# KiCad board Logic_0.kicad_pcb
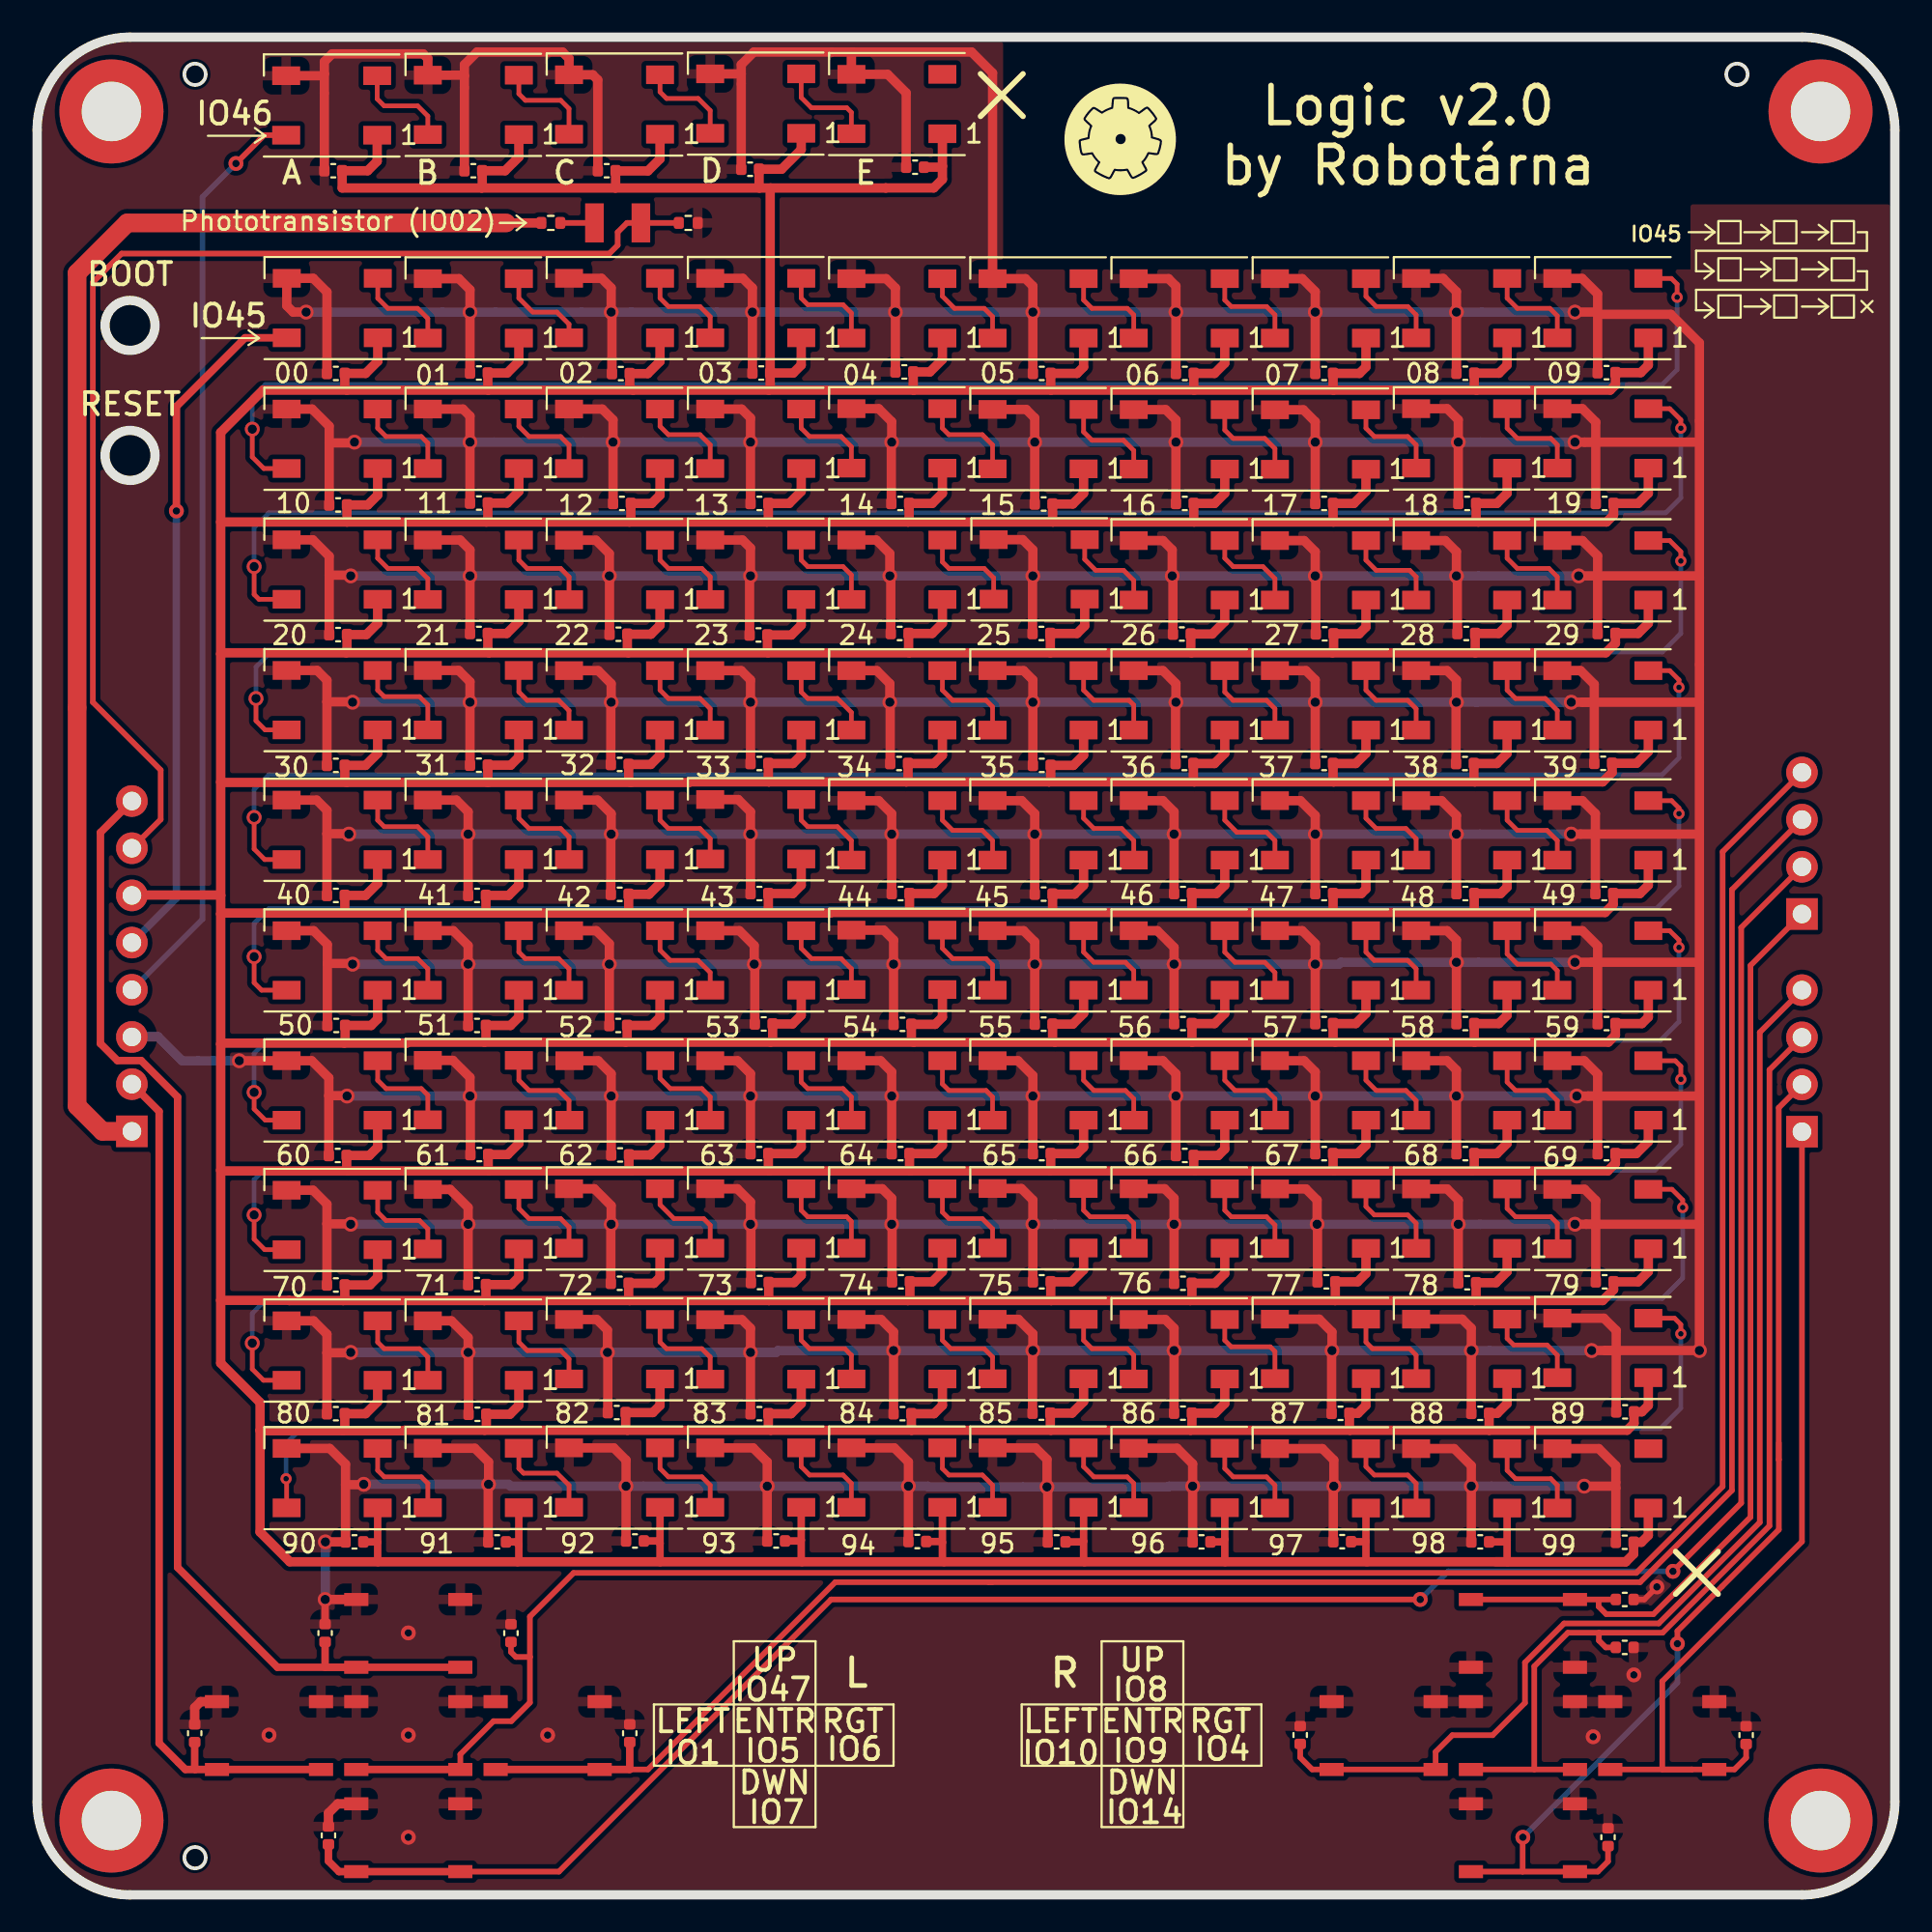
[diagram p0: board, top side]
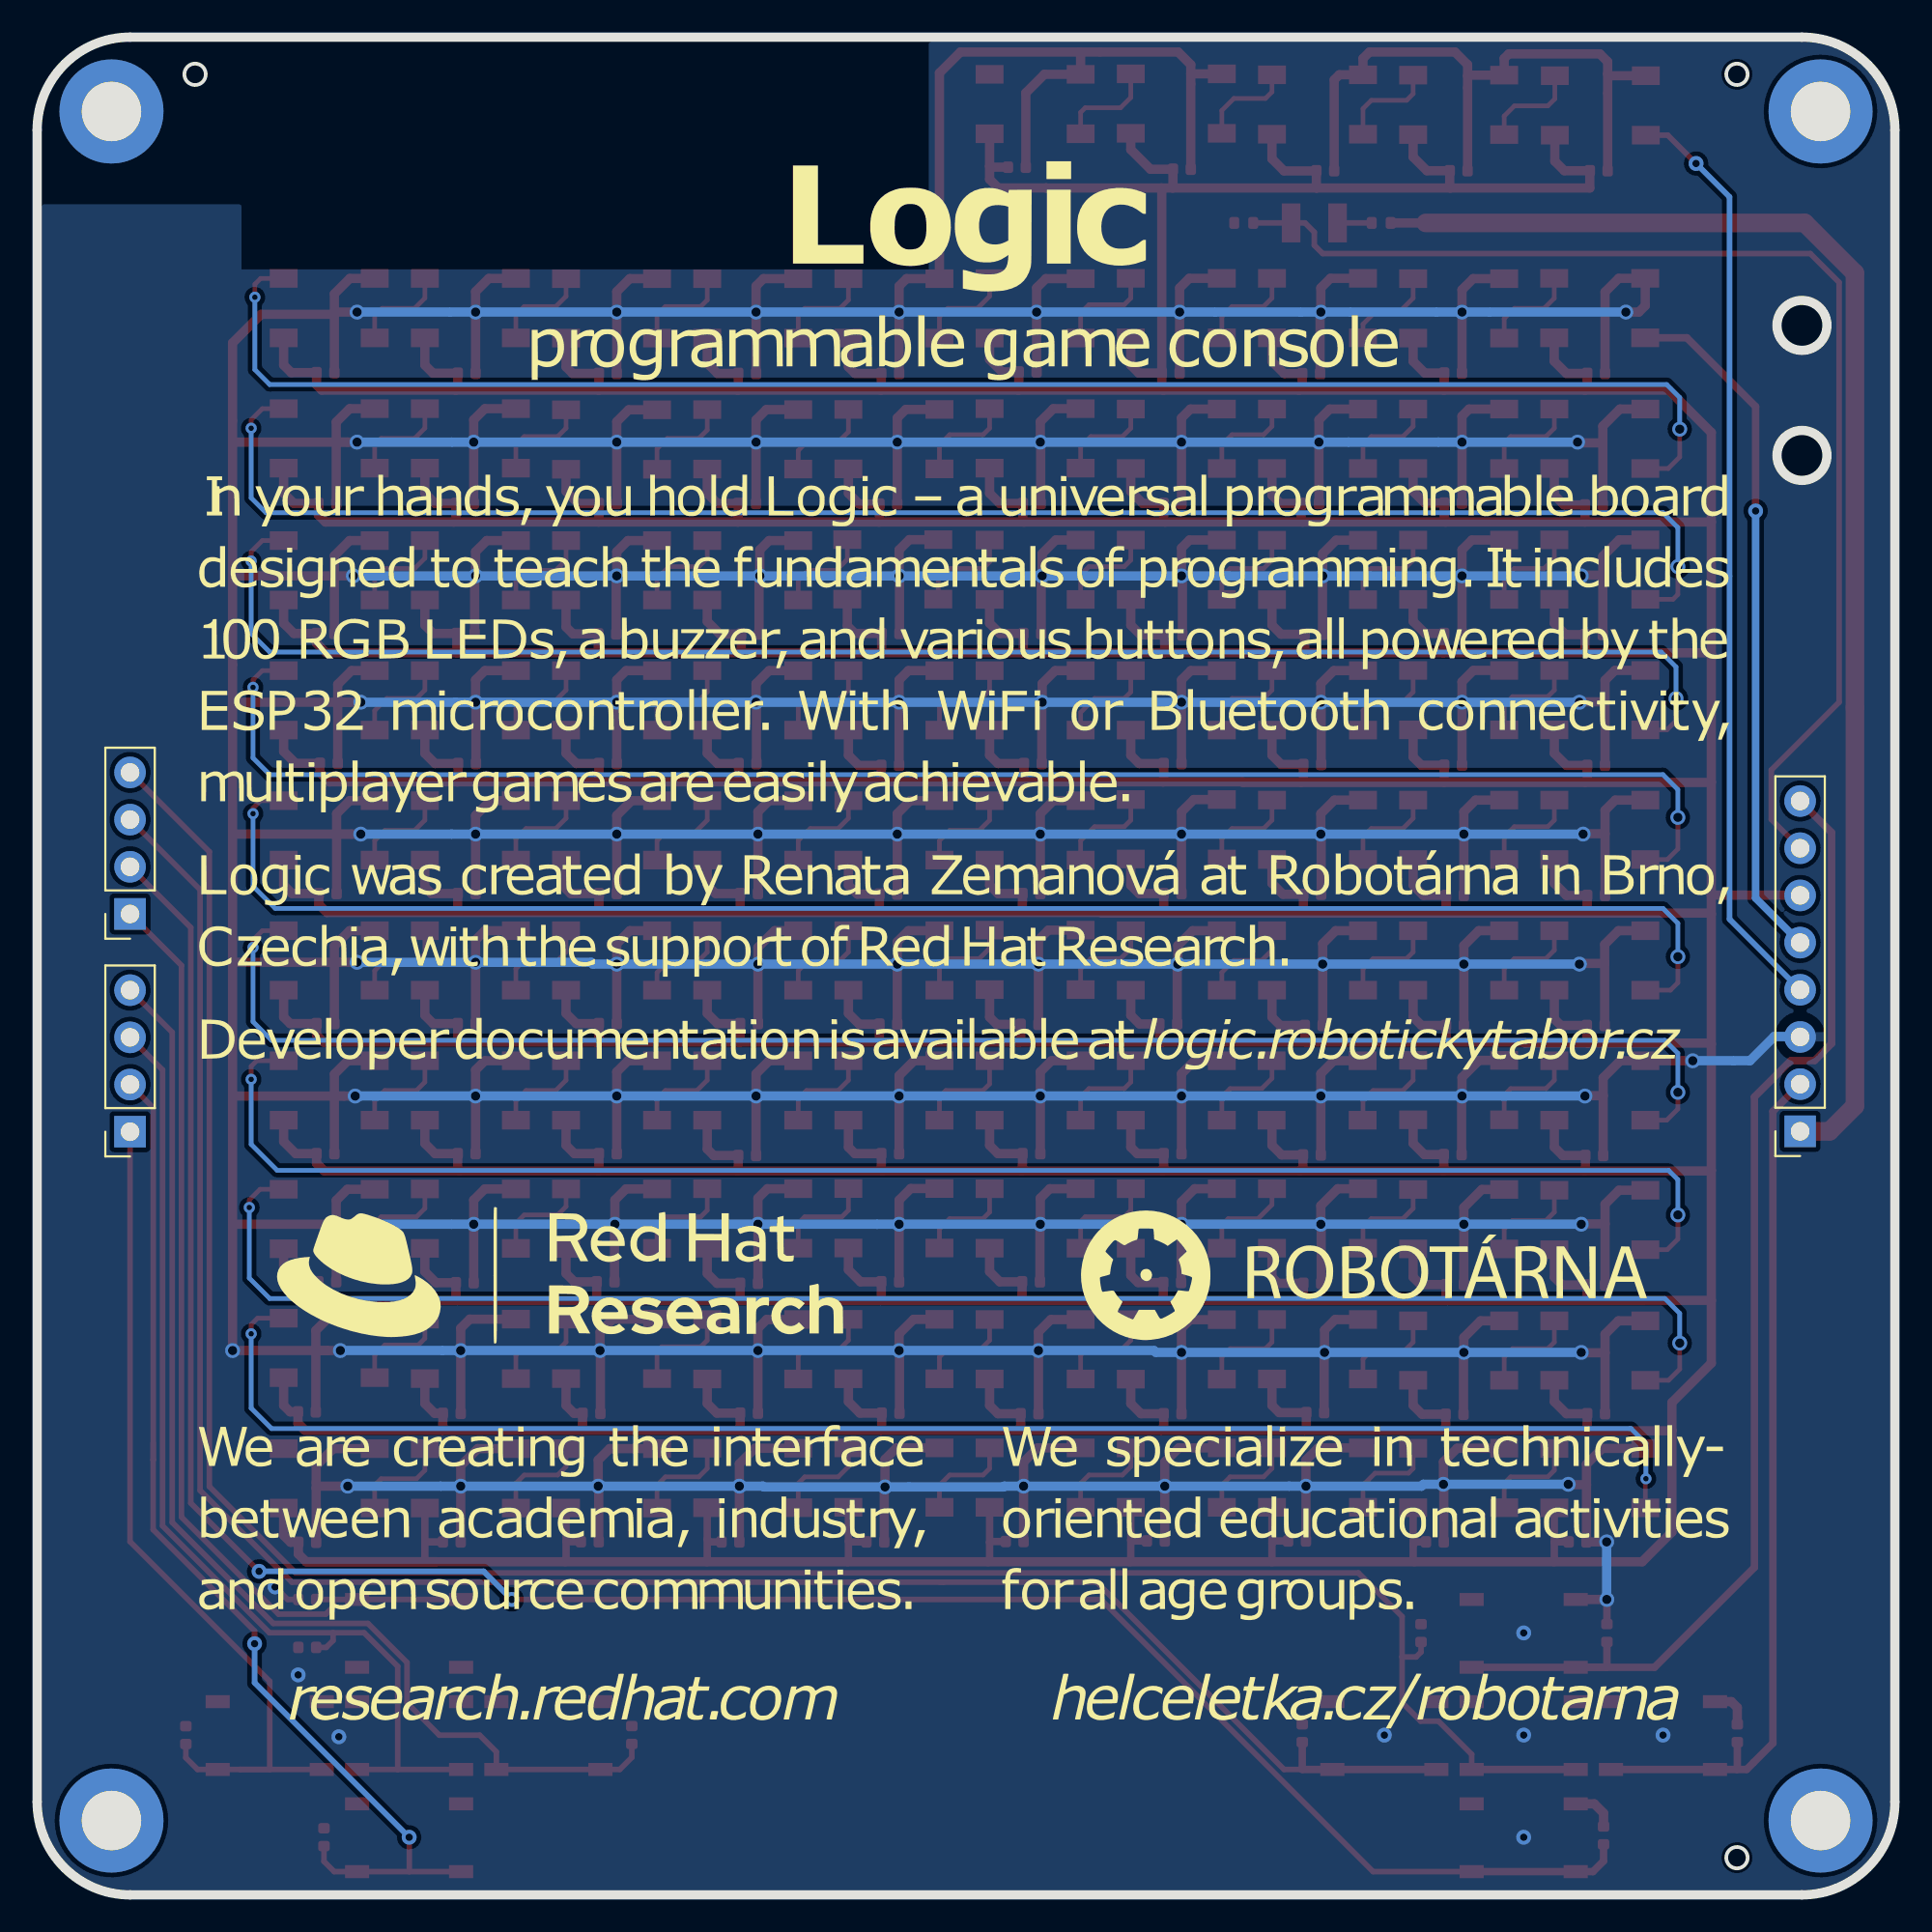
[diagram p1: board, bottom side, seen from below]

Outline 100 x 100 mm; copper layers: Top, Bottom. Coordinates in mm from the lower left corner of the outline.
Outline path: circle c5,84.48 r1.35 ; circle c5,77.48 r1.35 ; circle c8.5,98 r0.58 ; circle c8.5,2 r0.58 ; circle c91.5,98 r0.58 ; 0,95 arc(1.46,98.54) 5,100 95,100 arc(98.54,98.54) 100,95 100,5 arc(98.54,1.46) 95,0 5,0 arc(1.46,1.46) 0,5 0,95
Stack: Top 0.035mm / dielectric 1.51mm FR4 er 4.5 / Bottom 0.035mm

## Placement (name value [footprint] x y rotation side)
B1  -  [Board]  84.7 100 0 top
C2  100n  [C_0402_1005Metric]  46.68 81.98 180 top
C3  100n  [C_0402_1005Metric]  54.08 81.9 180 top
C6  100n  [C_0402_1005Metric]  61.78 81.9 180 top
C7  100n  [C_0402_1005Metric]  15.94 92.81 180 top
C8  100n  [C_0402_1005Metric]  23.48 92.81 180 top
C9  100n  [C_0402_1005Metric]  30.66 92.81 180 top
C10  100n  [C_0402_1005Metric]  38.38 92.89 180 top
C11  10n  [C_0402_1005Metric]  25.51 14.09 270 top
C12  10n  [C_0402_1005Metric]  31.9 8.7 270 top
C13  10n  [C_0402_1005Metric]  67.99 8.6 270 top
C14  10n  [C_0402_1005Metric]  92 8.6 270 top
C15  100n  [C_0402_1005Metric]  69.28 81.9 180 top
C16  100n  [C_0402_1005Metric]  76.88 81.91 180 top
C17  10n  [C_0402_1005Metric]  15.68 3.2 270 top
C18  10n  [C_0402_1005Metric]  84.56 3.1 270 top
C19  10n  [C_0402_1005Metric]  85.46 13.32 180 top
C20  10n  [C_0402_1005Metric]  85.46 15.9 180 top
C21  100n  [C_0402_1005Metric]  84.48 81.94 180 top
C30  10n  [C_0402_1005Metric]  15.5 14.09 270 top
C31  100n  [C_0402_1005Metric]  16.08 81.9 180 top
C32  100n  [C_0402_1005Metric]  23.78 81.92 180 top
C33  100n  [C_0402_1005Metric]  31.42 81.89 180 top
C34  100n  [C_0402_1005Metric]  38.98 81.92 180 top
C35  100n  [C_0402_1005Metric]  16.2 74.82 180 top
C36  100n  [C_0402_1005Metric]  23.78 74.92 180 top
C37  100n  [C_0402_1005Metric]  31.48 74.9 180 top
C38  100n  [C_0402_1005Metric]  38.88 74.9 180 top
C39  100n  [C_0402_1005Metric]  46.46 74.9 180 top
C40  100n  [C_0402_1005Metric]  54.18 74.87 180 top
C41  100n  [C_0402_1005Metric]  61.78 74.9 180 top
C42  100n  [C_0402_1005Metric]  69.28 74.9 180 top
C43  100n  [C_0402_1005Metric]  76.98 74.9 180 top
C44  100n  [C_0402_1005Metric]  84.38 74.9 180 top
C45  100n  [C_0402_1005Metric]  16.2 67.84 180 top
C46  100n  [C_0402_1005Metric]  23.78 67.9 180 top
C47  100n  [C_0402_1005Metric]  31.29 67.86 180 top
C48  100n  [C_0402_1005Metric]  38.83 67.82 180 top
C49  100n  [C_0402_1005Metric]  46.43 67.9 180 top
C50  100n  [C_0402_1005Metric]  54.06 67.9 180 top
C51  100n  [C_0402_1005Metric]  61.62 67.87 180 top
C52  100n  [C_0402_1005Metric]  69.31 67.88 180 top
C53  100n  [C_0402_1005Metric]  76.93 67.9 180 top
C54  100n  [C_0402_1005Metric]  84.48 67.9 180 top
C55  100n  [C_0402_1005Metric]  16.08 60.8 180 top
C56  100n  [C_0402_1005Metric]  23.78 60.81 180 top
C57  100n  [C_0402_1005Metric]  31.36 60.85 180 top
C58  100n  [C_0402_1005Metric]  38.88 60.9 180 top
C59  100n  [C_0402_1005Metric]  46.4 60.9 180 top
C60  100n  [C_0402_1005Metric]  54.08 60.8 180 top
C61  100n  [C_0402_1005Metric]  61.76 60.9 180 top
C62  100n  [C_0402_1005Metric]  69.28 60.9 180 top
C63  100n  [C_0402_1005Metric]  76.86 60.9 180 top
C64  100n  [C_0402_1005Metric]  84.3 60.91 180 top
C65  100n  [C_0402_1005Metric]  16.08 53.8 180 top
C66  100n  [C_0402_1005Metric]  23.68 53.8 180 top
C67  100n  [C_0402_1005Metric]  31.36 53.86 180 top
C68  100n  [C_0402_1005Metric]  38.88 53.9 180 top
C69  100n  [C_0402_1005Metric]  46.48 53.9 180 top
C70  100n  [C_0402_1005Metric]  54.18 53.87 180 top
C71  100n  [C_0402_1005Metric]  61.68 53.9 180 top
C72  100n  [C_0402_1005Metric]  69.28 53.9 180 top
C73  100n  [C_0402_1005Metric]  76.88 53.9 180 top
C74  100n  [C_0402_1005Metric]  84.36 53.9 180 top
C75  100n  [C_0402_1005Metric]  16.1 46.8 180 top
C76  100n  [C_0402_1005Metric]  23.68 46.8 180 top
C77  100n  [C_0402_1005Metric]  31.28 46.8 180 top
C78  100n  [C_0402_1005Metric]  39.11 46.88 180 top
C79  100n  [C_0402_1005Metric]  46.58 46.86 180 top
C80  100n  [C_0402_1005Metric]  54.18 46.87 180 top
C81  100n  [C_0402_1005Metric]  61.68 46.9 180 top
C82  100n  [C_0402_1005Metric]  69.28 46.9 180 top
C83  100n  [C_0402_1005Metric]  76.88 46.9 180 top
C84  100n  [C_0402_1005Metric]  84.48 46.9 180 top
C85  100n  [C_0402_1005Metric]  16.18 39.8 180 top
C86  100n  [C_0402_1005Metric]  23.8 39.85 180 top
C87  100n  [C_0402_1005Metric]  31.38 39.83 180 top
C88  100n  [C_0402_1005Metric]  38.88 39.9 180 top
C89  100n  [C_0402_1005Metric]  46.48 39.9 180 top
C90  100n  [C_0402_1005Metric]  54.08 39.9 180 top
C91  100n  [C_0402_1005Metric]  61.78 39.8 180 top
C92  100n  [C_0402_1005Metric]  69.28 39.9 180 top
C93  100n  [C_0402_1005Metric]  76.88 39.9 180 top
C94  100n  [C_0402_1005Metric]  84.48 39.9 180 top
C95  100n  [C_0402_1005Metric]  16.08 32.83 180 top
C96  100n  [C_0402_1005Metric]  23.68 32.85 180 top
C97  100n  [C_0402_1005Metric]  31.36 32.92 180 top
C98  100n  [C_0402_1005Metric]  38.9 32.96 180 top
C99  100n  [C_0402_1005Metric]  46.5 33 180 top
C100  100n  [C_0402_1005Metric]  54.08 33 180 top
C101  100n  [C_0402_1005Metric]  61.68 32.92 180 top
C102  100n  [C_0402_1005Metric]  69.4 33 180 top
C103  100n  [C_0402_1005Metric]  76.98 32.95 180 top
C104  100n  [C_0402_1005Metric]  84.38 33 180 top
C105  100n  [C_0402_1005Metric]  16.08 25.9 180 top
C106  100n  [C_0402_1005Metric]  23.7 25.87 180 top
C107  100n  [C_0402_1005Metric]  31.2 25.96 180 top
C108  100n  [C_0402_1005Metric]  38.88 25.9 180 top
C109  100n  [C_0402_1005Metric]  46.58 25.9 180 top
C110  100n  [C_0402_1005Metric]  54.06 25.93 180 top
C111  100n  [C_0402_1005Metric]  61.68 25.93 180 top
C112  100n  [C_0402_1005Metric]  70.16 25.92 180 top
C113  100n  [C_0402_1005Metric]  77.68 25.92 180 top
C114  100n  [C_0402_1005Metric]  85.48 26 180 top
C115  100n  [C_0402_1005Metric]  17.08 19 180 top
C116  100n  [C_0402_1005Metric]  24.76 19 180 top
C117  100n  [C_0402_1005Metric]  32.18 19.05 180 top
C118  100n  [C_0402_1005Metric]  39.78 19.05 180 top
C119  100n  [C_0402_1005Metric]  47.38 19.02 180 top
C120  100n  [C_0402_1005Metric]  54.88 19 180 top
C121  100n  [C_0402_1005Metric]  62.68 19 180 top
C122  100n  [C_0402_1005Metric]  70.25 19.01 180 top
C123  100n  [C_0402_1005Metric]  77.68 19 180 top
C124  100n  [C_0402_1005Metric]  85.46 18.98 180 top
C125  100n  [C_0402_1005Metric]  47.26 93 180 top
C126  10n  [C_0402_1005Metric]  8.48 8.7 270 top
D3  WS2812C  [LED_WS2812B_PLCC4_5.0x5.0mm_P3.2mm]  15.85 96.32 180 top
D4  WS2812C  [LED_WS2812B_PLCC4_5.0x5.0mm_P3.2mm]  23.48 96.35 180 top
D5  WS2812C  [LED_WS2812B_PLCC4_5.0x5.0mm_P3.2mm]  31.08 96.37 180 top
D6  WS2812C  [LED_WS2812B_PLCC4_5.0x5.0mm_P3.2mm]  38.68 96.42 180 top
D12  WS2812C  [LED_WS2812B_PLCC4_5.0x5.0mm_P3.2mm]  15.89 85.42 180 top
D13  WS2812C  [LED_WS2812B_PLCC4_5.0x5.0mm_P3.2mm]  23.48 85.4 180 top
D14  WS2812C  [LED_WS2812B_PLCC4_5.0x5.0mm_P3.2mm]  31.08 85.42 180 top
D15  WS2812C  [LED_WS2812B_PLCC4_5.0x5.0mm_P3.2mm]  38.68 85.42 180 top
D16  WS2812C  [LED_WS2812B_PLCC4_5.0x5.0mm_P3.2mm]  46.28 85.4 180 top
D17  WS2812C  [LED_WS2812B_PLCC4_5.0x5.0mm_P3.2mm]  53.88 85.4 180 top
D18  WS2812C  [LED_WS2812B_PLCC4_5.0x5.0mm_P3.2mm]  61.48 85.4 180 top
D19  WS2812C  [LED_WS2812B_PLCC4_5.0x5.0mm_P3.2mm]  69.08 85.4 180 top
D20  WS2812C  [LED_WS2812B_PLCC4_5.0x5.0mm_P3.2mm]  76.68 85.41 180 top
D21  WS2812C  [LED_WS2812B_PLCC4_5.0x5.0mm_P3.2mm]  84.28 85.41 180 top
D22  WS2812C  [LED_WS2812B_PLCC4_5.0x5.0mm_P3.2mm]  15.88 78.38 180 top
D23  WS2812C  [LED_WS2812B_PLCC4_5.0x5.0mm_P3.2mm]  23.48 78.38 180 top
D24  WS2812C  [LED_WS2812B_PLCC4_5.0x5.0mm_P3.2mm]  31.08 78.38 180 top
D25  WS2812C  [LED_WS2812B_PLCC4_5.0x5.0mm_P3.2mm]  38.68 78.38 180 top
D26  WS2812C  [LED_WS2812B_PLCC4_5.0x5.0mm_P3.2mm]  46.28 78.4 180 top
D27  WS2812C  [LED_WS2812B_PLCC4_5.0x5.0mm_P3.2mm]  53.88 78.36 180 top
D28  WS2812C  [LED_WS2812B_PLCC4_5.0x5.0mm_P3.2mm]  61.48 78.35 180 top
D29  WS2812C  [LED_WS2812B_PLCC4_5.0x5.0mm_P3.2mm]  69.08 78.34 180 top
D30  WS2812C  [LED_WS2812B_PLCC4_5.0x5.0mm_P3.2mm]  76.68 78.4 180 top
D31  WS2812C  [LED_WS2812B_PLCC4_5.0x5.0mm_P3.2mm]  84.28 78.4 180 top
D32  WS2812C  [LED_WS2812B_PLCC4_5.0x5.0mm_P3.2mm]  15.88 71.34 180 top
D33  WS2812C  [LED_WS2812B_PLCC4_5.0x5.0mm_P3.2mm]  23.48 71.33 180 top
D34  WS2812C  [LED_WS2812B_PLCC4_5.0x5.0mm_P3.2mm]  31.08 71.32 180 top
D35  WS2812C  [LED_WS2812B_PLCC4_5.0x5.0mm_P3.2mm]  38.68 71.33 180 top
D36  WS2812C  [LED_WS2812B_PLCC4_5.0x5.0mm_P3.2mm]  46.28 71.33 180 top
D37  WS2812C  [LED_WS2812B_PLCC4_5.0x5.0mm_P3.2mm]  53.94 71.35 180 top
D38  WS2812C  [LED_WS2812B_PLCC4_5.0x5.0mm_P3.2mm]  61.48 71.3 180 top
D39  WS2812C  [LED_WS2812B_PLCC4_5.0x5.0mm_P3.2mm]  69.08 71.3 180 top
D40  WS2812C  [LED_WS2812B_PLCC4_5.0x5.0mm_P3.2mm]  76.68 71.3 180 top
D41  WS2812C  [LED_WS2812B_PLCC4_5.0x5.0mm_P3.2mm]  84.28 71.3 180 top
D42  WS2812C  [LED_WS2812B_PLCC4_5.0x5.0mm_P3.2mm]  15.88 64.31 180 top
D43  WS2812C  [LED_WS2812B_PLCC4_5.0x5.0mm_P3.2mm]  23.48 64.31 180 top
D44  WS2812C  [LED_WS2812B_PLCC4_5.0x5.0mm_P3.2mm]  31.08 64.3 180 top
D45  WS2812C  [LED_WS2812B_PLCC4_5.0x5.0mm_P3.2mm]  38.68 64.3 180 top
D46  WS2812C  [LED_WS2812B_PLCC4_5.0x5.0mm_P3.2mm]  46.28 64.3 180 top
D47  WS2812C  [LED_WS2812B_PLCC4_5.0x5.0mm_P3.2mm]  53.88 64.3 180 top
D48  WS2812C  [LED_WS2812B_PLCC4_5.0x5.0mm_P3.2mm]  61.48 64.3 180 top
D49  WS2812C  [LED_WS2812B_PLCC4_5.0x5.0mm_P3.2mm]  69.08 64.3 180 top
D50  WS2812C  [LED_WS2812B_PLCC4_5.0x5.0mm_P3.2mm]  76.68 64.3 180 top
D51  WS2812C  [LED_WS2812B_PLCC4_5.0x5.0mm_P3.2mm]  84.28 64.3 180 top
D52  WS2812C  [LED_WS2812B_PLCC4_5.0x5.0mm_P3.2mm]  15.88 57.33 180 top
D53  WS2812C  [LED_WS2812B_PLCC4_5.0x5.0mm_P3.2mm]  23.48 57.33 180 top
D54  WS2812C  [LED_WS2812B_PLCC4_5.0x5.0mm_P3.2mm]  31.08 57.33 180 top
D55  WS2812C  [LED_WS2812B_PLCC4_5.0x5.0mm_P3.2mm]  38.68 57.36 180 top
D56  WS2812C  [LED_WS2812B_PLCC4_5.0x5.0mm_P3.2mm]  46.28 57.3 180 top
D57  WS2812C  [LED_WS2812B_PLCC4_5.0x5.0mm_P3.2mm]  53.88 57.3 180 top
D58  WS2812C  [LED_WS2812B_PLCC4_5.0x5.0mm_P3.2mm]  61.48 57.3 180 top
D59  WS2812C  [LED_WS2812B_PLCC4_5.0x5.0mm_P3.2mm]  69.08 57.3 180 top
D60  WS2812C  [LED_WS2812B_PLCC4_5.0x5.0mm_P3.2mm]  76.68 57.3 180 top
D61  WS2812C  [LED_WS2812B_PLCC4_5.0x5.0mm_P3.2mm]  84.28 57.3 180 top
D62  WS2812C  [LED_WS2812B_PLCC4_5.0x5.0mm_P3.2mm]  15.88 50.3 180 top
D63  WS2812C  [LED_WS2812B_PLCC4_5.0x5.0mm_P3.2mm]  23.48 50.3 180 top
D64  WS2812C  [LED_WS2812B_PLCC4_5.0x5.0mm_P3.2mm]  31.08 50.3 180 top
D65  WS2812C  [LED_WS2812B_PLCC4_5.0x5.0mm_P3.2mm]  38.68 50.3 180 top
D66  WS2812C  [LED_WS2812B_PLCC4_5.0x5.0mm_P3.2mm]  46.28 50.33 180 top
D67  WS2812C  [LED_WS2812B_PLCC4_5.0x5.0mm_P3.2mm]  53.88 50.3 180 top
D68  WS2812C  [LED_WS2812B_PLCC4_5.0x5.0mm_P3.2mm]  61.48 50.3 180 top
D69  WS2812C  [LED_WS2812B_PLCC4_5.0x5.0mm_P3.2mm]  69.08 50.3 180 top
D70  WS2812C  [LED_WS2812B_PLCC4_5.0x5.0mm_P3.2mm]  76.68 50.3 180 top
D71  WS2812C  [LED_WS2812B_PLCC4_5.0x5.0mm_P3.2mm]  84.28 50.3 180 top
D72  WS2812C  [LED_WS2812B_PLCC4_5.0x5.0mm_P3.2mm]  15.88 43.3 180 top
D73  WS2812C  [LED_WS2812B_PLCC4_5.0x5.0mm_P3.2mm]  23.48 43.32 180 top
D74  WS2812C  [LED_WS2812B_PLCC4_5.0x5.0mm_P3.2mm]  31.1 43.3 180 top
D75  WS2812C  [LED_WS2812B_PLCC4_5.0x5.0mm_P3.2mm]  38.68 43.3 180 top
D76  WS2812C  [LED_WS2812B_PLCC4_5.0x5.0mm_P3.2mm]  46.28 43.3 180 top
D77  WS2812C  [LED_WS2812B_PLCC4_5.0x5.0mm_P3.2mm]  53.88 43.3 180 top
D78  WS2812C  [LED_WS2812B_PLCC4_5.0x5.0mm_P3.2mm]  61.48 43.3 180 top
D79  WS2812C  [LED_WS2812B_PLCC4_5.0x5.0mm_P3.2mm]  69.08 43.3 180 top
D80  WS2812C  [LED_WS2812B_PLCC4_5.0x5.0mm_P3.2mm]  76.68 43.3 180 top
D81  WS2812C  [LED_WS2812B_PLCC4_5.0x5.0mm_P3.2mm]  84.28 43.3 180 top
D82  WS2812C  [LED_WS2812B_PLCC4_5.0x5.0mm_P3.2mm]  15.88 36.33 180 top
D83  WS2812C  [LED_WS2812B_PLCC4_5.0x5.0mm_P3.2mm]  23.48 36.37 180 top
D84  WS2812C  [LED_WS2812B_PLCC4_5.0x5.0mm_P3.2mm]  31.08 36.41 180 top
D85  WS2812C  [LED_WS2812B_PLCC4_5.0x5.0mm_P3.2mm]  38.68 36.41 180 top
D86  WS2812C  [LED_WS2812B_PLCC4_5.0x5.0mm_P3.2mm]  46.28 36.41 180 top
D87  WS2812C  [LED_WS2812B_PLCC4_5.0x5.0mm_P3.2mm]  53.88 36.42 180 top
D88  WS2812C  [LED_WS2812B_PLCC4_5.0x5.0mm_P3.2mm]  61.48 36.41 180 top
D89  WS2812C  [LED_WS2812B_PLCC4_5.0x5.0mm_P3.2mm]  69.08 36.4 180 top
D90  WS2812C  [LED_WS2812B_PLCC4_5.0x5.0mm_P3.2mm]  76.68 36.4 180 top
D91  WS2812C  [LED_WS2812B_PLCC4_5.0x5.0mm_P3.2mm]  84.28 36.38 180 top
D93  WS2812C  [LED_WS2812B_PLCC4_5.0x5.0mm_P3.2mm]  15.88 29.3 180 top
D94  WS2812C  [LED_WS2812B_PLCC4_5.0x5.0mm_P3.2mm]  23.48 29.3 180 top
D95  WS2812C  [LED_WS2812B_PLCC4_5.0x5.0mm_P3.2mm]  31.08 29.37 180 top
D96  WS2812C  [LED_WS2812B_PLCC4_5.0x5.0mm_P3.2mm]  38.68 29.36 180 top
D97  WS2812C  [LED_WS2812B_PLCC4_5.0x5.0mm_P3.2mm]  46.28 29.37 180 top
D98  WS2812C  [LED_WS2812B_PLCC4_5.0x5.0mm_P3.2mm]  53.88 29.38 180 top
D99  WS2812C  [LED_WS2812B_PLCC4_5.0x5.0mm_P3.2mm]  61.48 29.37 180 top
D100  WS2812C  [LED_WS2812B_PLCC4_5.0x5.0mm_P3.2mm]  69.08 29.39 180 top
D101  WS2812C  [LED_WS2812B_PLCC4_5.0x5.0mm_P3.2mm]  76.68 29.39 180 top
D102  WS2812C  [LED_WS2812B_PLCC4_5.0x5.0mm_P3.2mm]  84.28 29.44 180 top
D103  WS2812C  [LED_WS2812B_PLCC4_5.0x5.0mm_P3.2mm]  15.88 22.43 180 top
D104  WS2812C  [LED_WS2812B_PLCC4_5.0x5.0mm_P3.2mm]  23.48 22.44 180 top
D105  WS2812C  [LED_WS2812B_PLCC4_5.0x5.0mm_P3.2mm]  31.08 22.46 180 top
D106  WS2812C  [LED_WS2812B_PLCC4_5.0x5.0mm_P3.2mm]  38.68 22.46 180 top
D107  WS2812C  [LED_WS2812B_PLCC4_5.0x5.0mm_P3.2mm]  46.28 22.46 180 top
D108  WS2812C  [LED_WS2812B_PLCC4_5.0x5.0mm_P3.2mm]  53.88 22.46 180 top
D109  WS2812C  [LED_WS2812B_PLCC4_5.0x5.0mm_P3.2mm]  61.48 22.44 180 top
D110  WS2812C  [LED_WS2812B_PLCC4_5.0x5.0mm_P3.2mm]  69.08 22.42 180 top
D111  WS2812C  [LED_WS2812B_PLCC4_5.0x5.0mm_P3.2mm]  76.68 22.42 180 top
D112  WS2812C  [LED_WS2812B_PLCC4_5.0x5.0mm_P3.2mm]  84.28 22.42 180 top
D113  WS2812C  [LED_WS2812B_PLCC4_5.0x5.0mm_P3.2mm]  46.28 96.4 180 top
DRA1  Logo_Robotarna  [RobotarnaLogo-6mm]  58.3 94.5 0 top
G***  -  [LOGO]  50.35 50.96 180 bottom
H5  MountingHole  [MountingHole_3.2mm_M3_DIN965_Pad]  4 96 0 top
H6  MountingHole  [MountingHole_3.2mm_M3_DIN965_Pad]  96 96 0 top
H7  MountingHole  [MountingHole_3.2mm_M3_DIN965_Pad]  4 4 0 top
H8  MountingHole  [MountingHole_3.2mm_M3_DIN965_Pad]  96 4 0 top
J4  Conn_01x08  [PinSocket_1x08_P2.54mm_Vertical]  5.1 41.1 0 bottom
J5  Conn_01x04  [PinSocket_1x04_P2.54mm_Vertical]  95 41.08 0 bottom
J6  Conn_01x04  [PinSocket_1x04_P2.54mm_Vertical]  95 52.8 0 bottom
Q3  Q_Photo_NPN  [SMD,3.5x2.8x1.9mm]  31.25 90 0 top
R5  22k  [R_0402_1005Metric]  27.65 90 0 top
R13  10k  [R_0402_1005Metric]  35.05 90 0 top
SW2  button  [Tactile_switch]  19.98 8.6 180 top
SW3  button  [Tactile_switch]  27.48 8.6 180 top
SW4  button  [Tactile_switch]  72.48 8.6 180 top
SW5  button  [Tactile_switch]  87.48 8.6 180 top
SW7  button  [Tactile_switch]  12.48 8.6 180 top
SW8  button  [Tactile_switch]  19.98 3.1 180 top
SW9  button  [Tactile_switch]  79.98 3.1 180 top
SW10  button  [Tactile_switch]  79.98 8.6 180 top
SW11  button  [Tactile_switch]  79.98 14.05 0 top
SW12  button  [Tactile_switch]  19.98 14.1 180 top

## Library data of the parts
C2 C3 C6-C10 C15 C16 C21 C31-C125 = -: JLCPCB_CORRECTION: 0;0;0; LCSC: C1525
C11-C14 C17-C20 C30 C126 = -: JLCPCB_CORRECTION: 0;0;0; LCSC: C15195
D3-D6 D12-D91 D93-D113 = -: JLCPCB_CORRECTION: 0;0;90; LCSC: C2843785
DRA1 H5-H8 = -: JLCPCB_CORRECTION: 0;0;0; LCSC: -
Q3 = -: JLCPCB_CORRECTION: 0;0;0; LCSC: C250859
R5 = -: JLCPCB_CORRECTION: 0;0;0; LCSC: C25768
R13 = -: JLCPCB_CORRECTION: 0;0;0; LCSC: C25744
SW2-SW5 SW7-SW12 = -: JLCPCB_CORRECTION: 0;0;0; LCSC: C318887

## Footprints (pads in the part's own frame, mm; a bottom-side part is the same pattern mirrored in y, then rotated)
C_0402_1005Metric
  rrect 0.56x0.62 smd: 1(-0.48,0) 2(0.48,0)
LED_WS2812B_PLCC4_5.0x5.0mm_P3.2mm
  rect 1.5x1 smd: 1(-2.45,1.6) 2(-2.45,-1.6) 3(2.45,-1.6) 4(2.45,1.6)
MountingHole_3.2mm_M3_DIN965_Pad
  round 5.6 hole 3.2: 1(0,0)
PinSocket_1x04_P2.54mm_Vertical
  rect 1.7x1.7 hole 1: 1(0,0)
  oval 1.7x1.7 hole 1: 2(0,-2.54) 3(0,-5.08) 4(0,-7.62)
PinSocket_1x08_P2.54mm_Vertical
  rect 1.7x1.7 hole 1: 1(0,0)
  oval 1.7x1.7 hole 1: 2(0,-2.54) 3(0,-5.08) 4(0,-7.62) 5(0,-10.16) 6(0,-12.7) 7(0,-15.24) 8(0,-17.78)
R_0402_1005Metric
  rrect 0.54x0.64 smd: 1(-0.51,0) 2(0.51,0)
SMD,3.5x2.8x1.9mm
  rect 1x2.1 smd: 1(-1.25,0) 2(1.25,0)
Tactile_switch
  rect 1.3x0.7 smd: 1(-2.8,1.85) 1(2.8,1.85) 2(-2.8,-1.8) 2(2.8,-1.8)
